# Altium PCB AX7021B.PcbDoc (part 2 of 6) (continued)
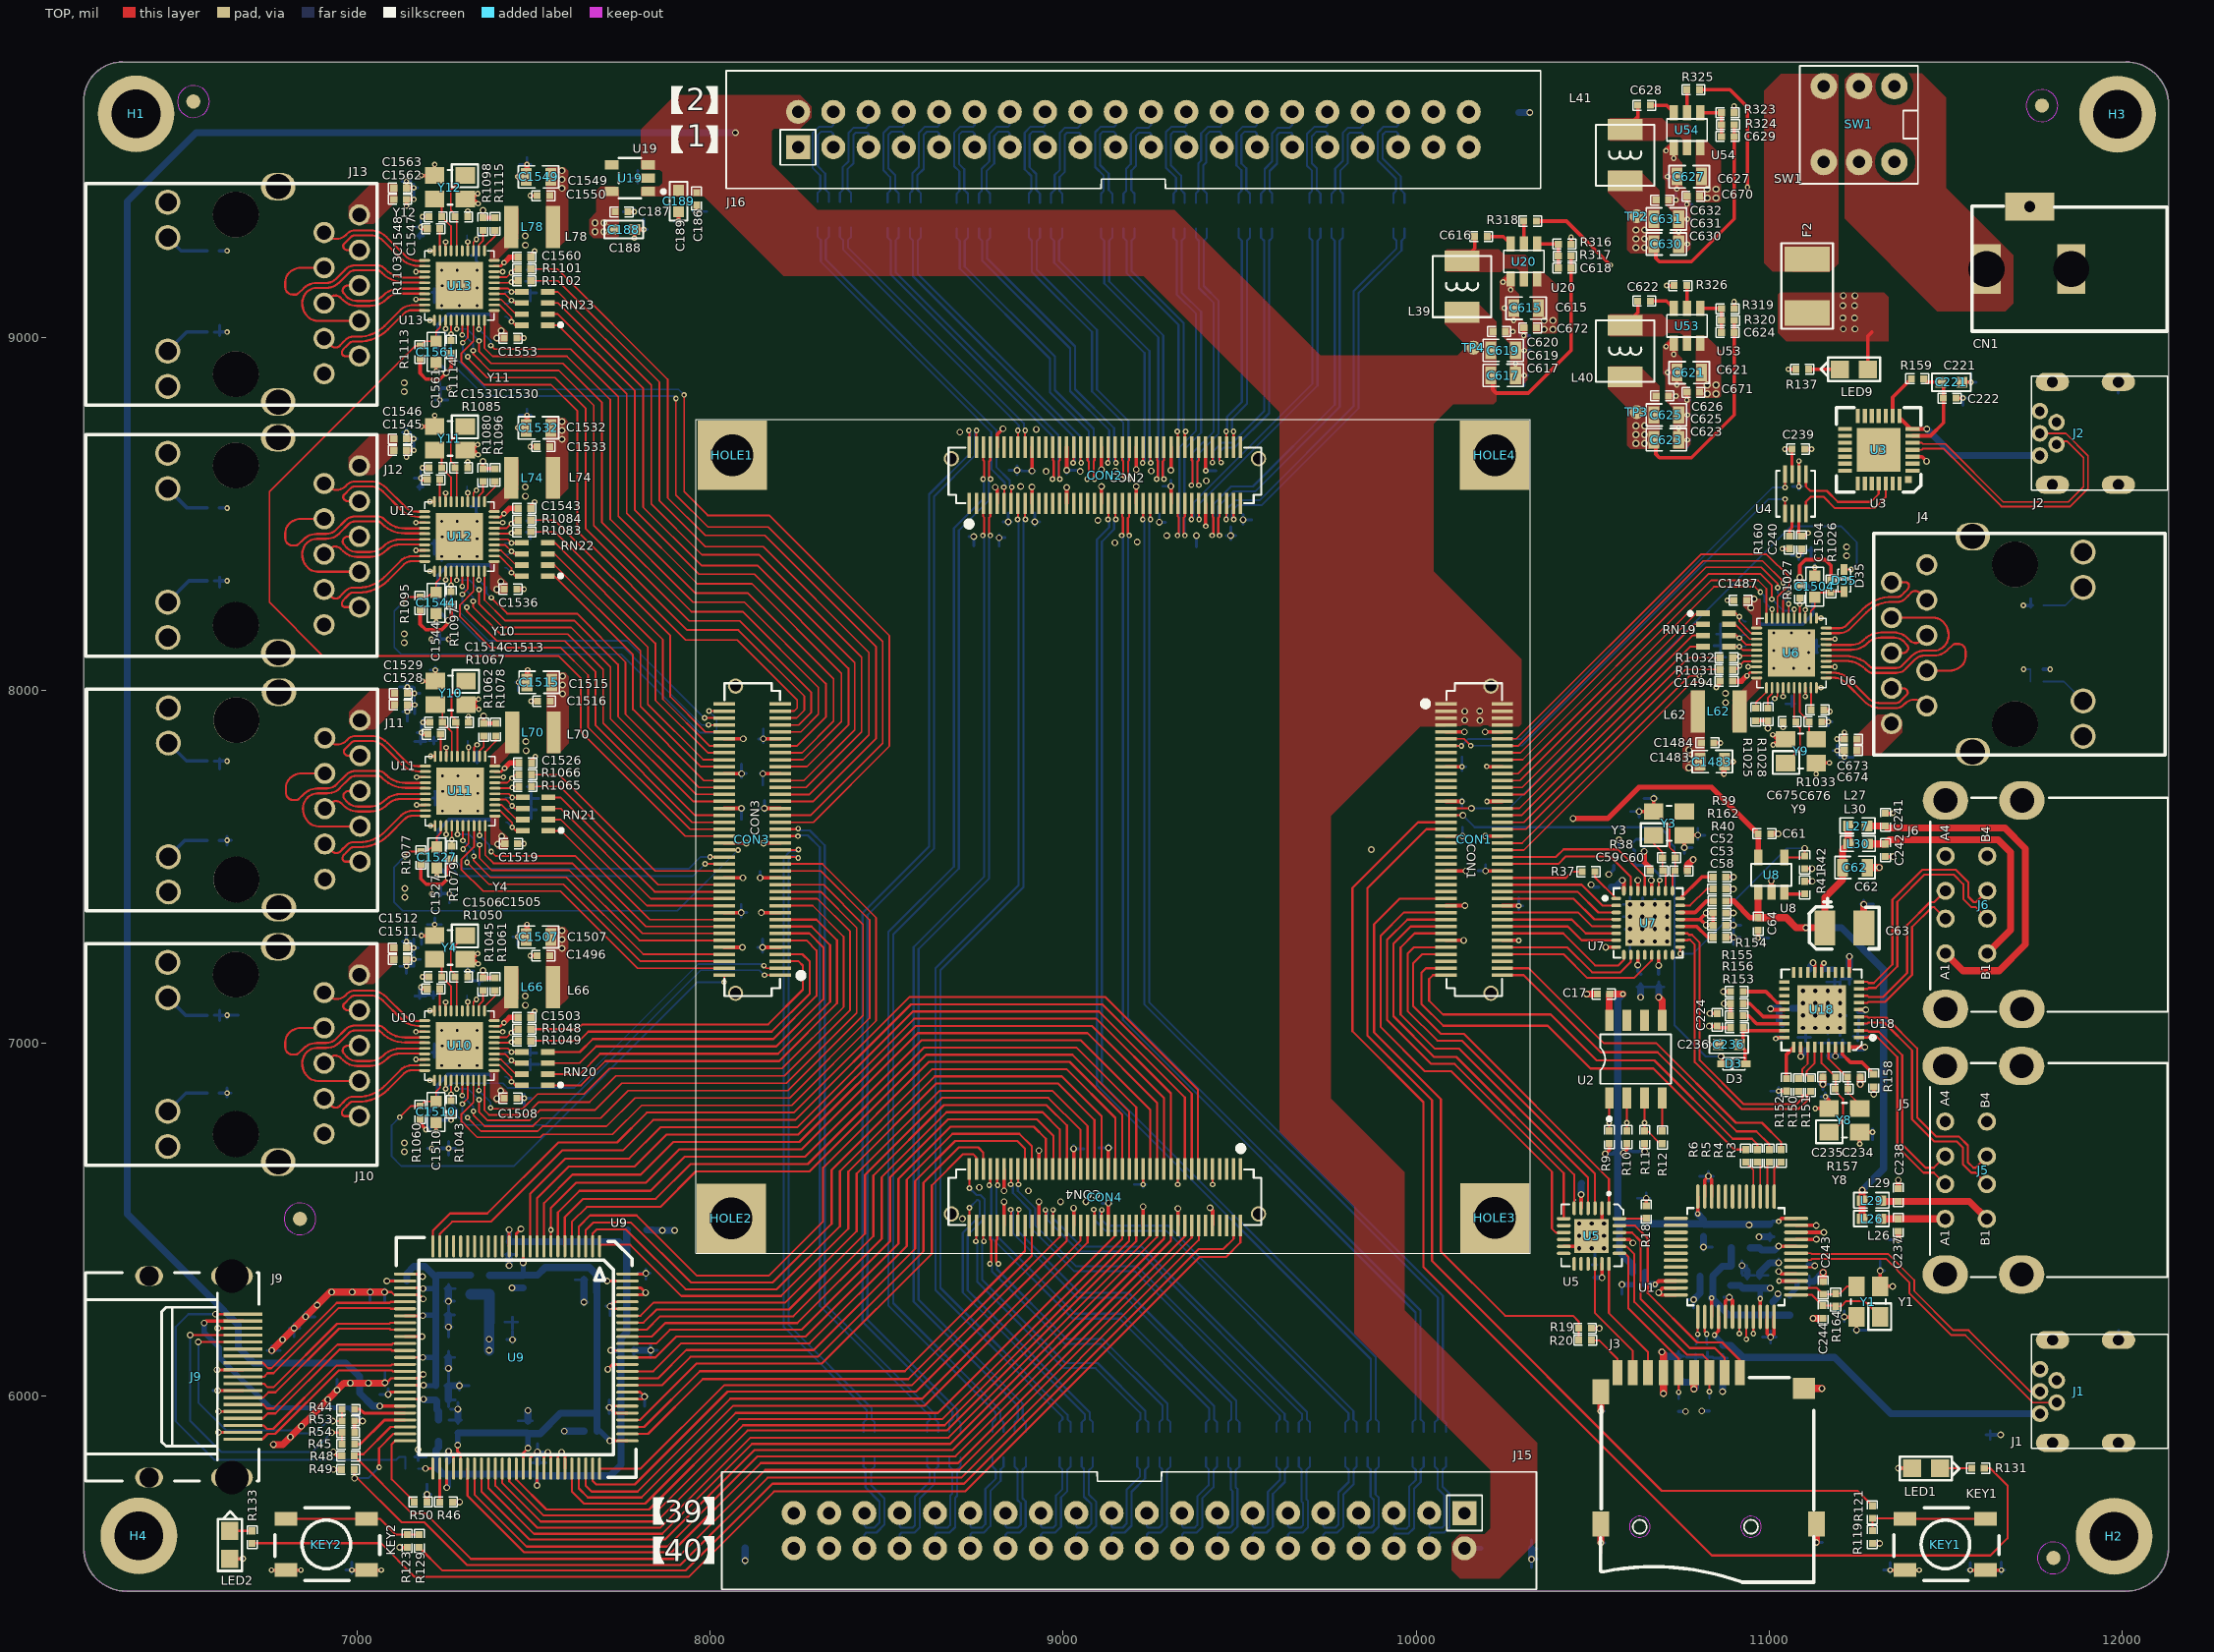
[diagram p0: TOP view]
## Nets (pads, with @x,y where several pads share a name; then routed paths per layer and width w, separated by ;. In a path a pad name is that pad's centre, name@x,y a point inside that pad or via, vN(x,y) a via of type N, cw(c..) or ccw(c..) an arc to the next point about the centre after c; other vN are vias at no path point) (continued)
  BOTTOM w6: RN17.8@8434.79,5827.27 8434.79,5801.55 8440.04,5796.3 8440.04,5742.22 8480.04,5702.22 8480.04,5642.65 8465.74,5628.35 8442.54,5628.35 8437.04,5633.85 J15.35@8437.04,5669.85
EX_IO1_17P: J15.36 RN17.7 | length 318
  BOTTOM w6: J15.36@8437.04,5569.85 8437.04,5608.85 8442.54,5614.35 8471.54,5614.35 8494.04,5636.85 8494.04,5710.85 8456.04,5748.85 8456.04,5791.3 8466.29,5801.55 RN17.7@8466.29,5827.27
EX_IO2_1N: J16.3 RN2.6 | length 291.6
  BOTTOM w6: RN2.6@8336.29,9383.42 8336.29,9409.14 8326.04,9419.39 8326.04,9463.85 8305.04,9484.85 8305.04,9573.05 8314.84,9582.85 8343.04,9582.85 8349.04,9576.85 J16.3@8349.04,9538.35
EX_IO2_1P: J16.4 RN2.5 | length 311.7
  BOTTOM w6: RN2.5@8304.79,9383.42 8304.79,9409.14 8312.04,9416.39 8312.04,9458.05 8291.04,9479.05 8291.04,9578.85 8309.04,9596.85 8345.04,9596.85 8349.04,9600.85 J16.4@8349.04,9638.35
EX_IO2_2N: J16.5 RN2.8 | length 286.5
  BOTTOM w6: RN2.8@8399.28,9383.42 8399.28,9409.14 8389.04,9419.38 8389.04,9475.86 8406.04,9492.86 8406.04,9573.05 8412.84,9579.85 8446.04,9579.85 8449.04,9576.85 J16.5@8449.04,9538.35
EX_IO2_2P: J16.6 RN2.7 | length 309.1
  BOTTOM w6: RN2.7@8367.78,9383.42 8367.78,9409.14 8375.04,9416.4 8375.04,9481.66 8392.04,9498.66 8392.04,9578.85 8407.04,9593.85 8442.04,9593.85 8449.04,9600.85 J16.6@8449.04,9638.35
EX_IO2_3N: J16.7 RN4.6 | length 291.8
  BOTTOM w6: RN4.6@8534.29,9382.43 8534.29,9408.15 8524.04,9418.4 8524.04,9459.85 8505.04,9478.85 8505.04,9573.05 8514.84,9582.85 8543.04,9582.85 8549.04,9576.85 J16.7@8549.04,9538.35
EX_IO2_3P: J16.8 RN4.5 | length 311.9
  BOTTOM w6: RN4.5@8502.79,9382.43 8502.79,9408.15 8510.04,9415.4 8510.04,9454.05 8491.04,9473.05 8491.04,9578.85 8509.04,9596.85 8545.04,9596.85 8549.04,9600.85 J16.8@8549.04,9638.35
EX_IO2_4N: J16.9 RN4.8 | length 291.4
  BOTTOM w6: RN4.8@8597.28,9382.43 8597.28,9408.15 8587.03,9418.4 8587.03,9458.84 8605.04,9476.85 8605.04,9573.05 8614.84,9582.85 8643.04,9582.85 8649.04,9576.85 J16.9@8649.04,9538.35
EX_IO2_4P: J16.10 RN4.7 | length 311.5
  BOTTOM w6: RN4.7@8565.78,9382.43 8565.78,9408.15 8573.03,9415.4 8573.03,9464.64 8591.04,9482.65 8591.04,9578.85 8609.04,9596.85 8645.04,9596.85 8649.04,9600.85 J16.10@8649.04,9638.35
EX_IO2_5N: J16.11 RN6.6 | length 291.1
  BOTTOM w6: RN6.6@8730.29,9381.43 8730.29,9407.15 8720.04,9417.4 8720.04,9475.85 8705.04,9490.85 8705.04,9573.05 8714.84,9582.85 8743.04,9582.85 8749.04,9576.85 J16.11@8749.04,9538.35
EX_IO2_5P: J16.12 RN6.5 | length 311.2
  BOTTOM w6: RN6.5@8698.79,9381.43 8698.79,9407.15 8706.04,9414.4 8706.04,9470.05 8691.04,9485.05 8691.04,9578.85 8709.04,9596.85 8745.04,9596.85 8749.04,9600.85 J16.12@8749.04,9638.35
EX_IO2_6N: J16.13 RN6.8 | length 292.3
  BOTTOM w6: RN6.8@8793.28,9381.43 8793.28,9407.15 8783.03,9417.4 8783.03,9470.85 8805.04,9492.86 8805.04,9570.05 8817.84,9582.85 8843.04,9582.85 8849.04,9576.85 J16.13@8849.04,9538.35
EX_IO2_6P: J16.14 RN6.7 | length 312.4
  BOTTOM w6: RN6.7@8761.78,9381.43 8761.78,9407.15 8769.03,9414.4 8769.03,9476.65 8791.04,9498.66 8791.04,9575.85 8812.04,9596.85 8845.04,9596.85 8849.04,9600.85 J16.14@8849.04,9638.35
EX_IO2_7N: J16.15 RN8.6 | length 293.4
  BOTTOM w6: RN8.6@8934.29,9381.43 8934.29,9407.15 8924.04,9417.4 8924.04,9462.85 8905.04,9481.85 8905.04,9574.05 8913.84,9582.85 8943.04,9582.85 8949.04,9576.85 J16.15@8949.04,9538.35
EX_IO2_7P: J16.16 RN8.5 | length 313.5
  BOTTOM w6: RN8.5@8902.79,9381.43 8902.79,9407.15 8910.04,9414.4 8910.04,9457.05 8891.04,9476.05 8891.04,9579.85 8908.04,9596.85 8945.04,9596.85 8949.04,9600.85 J16.16@8949.04,9638.35
EX_IO2_8N: J16.17 RN8.8 | length 288
  BOTTOM w6: RN8.8@8997.28,9381.43 8997.28,9407.15 8990.03,9414.4 8990.03,9454.04 9005.04,9469.05 9005.04,9574.05 9010.84,9579.85 9046.04,9579.85 9049.04,9576.85 J16.17@9049.04,9538.35
EX_IO2_8P: J16.18 RN8.7 | length 313.1
  BOTTOM w6: RN8.7@8965.78,9381.43 8965.78,9407.15 8976.03,9417.4 8976.03,9459.84 8991.04,9474.85 8991.04,9579.85 9005.04,9593.85 9042.04,9593.85 9049.04,9600.85 J16.18@9049.04,9638.35
EX_IO2_9N: J16.19 RN10.6 | length 296
  BOTTOM w6: RN10.6@9139.29,9381.43 9139.29,9407.15 9129.04,9417.4 9129.04,9463.85 9105.04,9487.85 9105.04,9575.05 9112.84,9582.85 9143.04,9582.85 9149.04,9576.85 J16.19@9149.04,9538.35
EX_IO2_9P: J16.20 RN10.5 | length 316.1
  BOTTOM w6: RN10.5@9107.79,9381.43 9107.79,9407.15 9115.04,9414.4 9115.04,9458.05 9091.04,9482.05 9091.04,9580.85 9107.04,9596.85 9145.04,9596.85 9149.04,9600.85 J16.20@9149.04,9638.35
EX_IO2_10N: J16.21 RN10.8 | length 284.6
  BOTTOM w6: RN10.8@9202.28,9381.43 9202.28,9407.15 9193.04,9416.39 9193.04,9472.06 9206.04,9485.06 9206.04,9570.05 9215.84,9579.85 9246.04,9579.85 9249.04,9576.85 J16.21@9249.04,9538.35
EX_IO2_10P: J16.22 RN10.7 | length 308.1
  BOTTOM w6: RN10.7@9170.78,9381.43 9170.78,9407.15 9179.04,9415.41 9179.04,9477.86 9192.04,9490.86 9192.04,9575.85 9210.04,9593.85 9242.04,9593.85 9249.04,9600.85 J16.22@9249.04,9638.35
EX_IO2_11N: J16.23 RN12.6 | length 298.1
  BOTTOM w6: RN12.6@9344.29,9381.42 9344.29,9407.14 9334.04,9417.39 9334.04,9457.85 9305.04,9486.85 9305.04,9575.05 9312.84,9582.85 9343.04,9582.85 9349.04,9576.85 J16.23@9349.04,9538.35
EX_IO2_11P: J16.24 RN12.5 | length 318.2
  BOTTOM w6: RN12.5@9312.79,9381.42 9312.79,9407.14 9320.04,9414.39 9320.04,9452.05 9291.04,9481.05 9291.04,9580.85 9307.04,9596.85 9345.04,9596.85 9349.04,9600.85 J16.24@9349.04,9638.35
EX_IO2_12N: J16.25 RN12.8 | length 287.7
  BOTTOM w6: RN12.8@9407.28,9381.42 9407.28,9407.14 9397.03,9417.39 9397.03,9486.85 9405.04,9494.86 9405.04,9572.05 9415.84,9582.85 9443.04,9582.85 9449.04,9576.85 J16.25@9449.04,9538.35
EX_IO2_12P: J16.26 RN12.7 | length 307.8
  BOTTOM w6: RN12.7@9375.78,9381.42 9375.78,9407.14 9383.03,9414.39 9383.03,9492.65 9391.04,9500.66 9391.04,9577.85 9410.04,9596.85 9445.04,9596.85 9449.04,9600.85 J16.26@9449.04,9638.35
EX_IO2_13N: J16.27 RN14.6 | length 290.7
  BOTTOM w6: RN14.6@9529.29,9381.42 9529.29,9407.14 9519.04,9417.39 9519.04,9478.85 9505.04,9492.85 9505.04,9573.05 9514.84,9582.85 9543.04,9582.85 9549.04,9576.85 J16.27@9549.04,9538.35
EX_IO2_13P: J16.28 RN14.5 | length 310.8
  BOTTOM w6: RN14.5@9497.79,9381.42 9497.79,9407.14 9505.04,9414.39 9505.04,9473.05 9491.04,9487.05 9491.04,9578.85 9509.04,9596.85 9545.04,9596.85 9549.04,9600.85 J16.28@9549.04,9638.35
EX_IO2_14N: J16.29 RN14.8 | length 288.3
  BOTTOM w6: RN14.8@9592.28,9381.42 9592.28,9407.14 9585.03,9414.39 9585.03,9471.05 9606.04,9492.06 9606.04,9572.05 9613.84,9579.85 9646.04,9579.85 9649.04,9576.85 J16.29@9649.04,9538.35
EX_IO2_14P: J16.30 RN14.7 | length 313.4
  BOTTOM w6: RN14.7@9560.78,9381.42 9560.78,9407.14 9571.03,9417.39 9571.03,9476.85 9592.04,9497.86 9592.04,9577.85 9608.04,9593.85 9642.04,9593.85 9649.04,9600.85 J16.30@9649.04,9638.35
EX_IO2_15N: J16.31 RN16.6 | length 289
  BOTTOM w6: RN16.6@9729.29,9381.42 9729.29,9407.14 9719.04,9417.39 9719.04,9477.85 9705.04,9491.85 9705.04,9570.05 9717.84,9582.85 9743.04,9582.85 9749.04,9576.85 J16.31@9749.04,9538.35
EX_IO2_15P: J16.32 RN16.5 | length 309.1
  BOTTOM w6: RN16.5@9697.79,9381.42 9697.79,9407.14 9705.04,9414.39 9705.04,9472.05 9691.04,9486.05 9691.04,9575.85 9712.04,9596.85 9745.04,9596.85 9749.04,9600.85 J16.32@9749.04,9638.35
EX_IO2_16N: J16.33 RN16.8 | length 288.9
  BOTTOM w6: RN16.8@9792.28,9381.42 9792.28,9407.14 9785.03,9414.39 9785.03,9472.04 9806.04,9493.05 9806.04,9573.05 9812.84,9579.85 9846.04,9579.85 9849.04,9576.85 J16.33@9849.04,9538.35
EX_IO2_16P: J16.34 RN16.7 | length 314
  BOTTOM w6: RN16.7@9760.78,9381.42 9760.78,9407.14 9771.03,9417.39 9771.03,9477.84 9792.04,9498.85 9792.04,9578.85 9807.04,9593.85 9842.04,9593.85 9849.04,9600.85 J16.34@9849.04,9638.35
EX_IO2_17N: J16.35 RN18.8 | length 307
  BOTTOM w6: J16.35@9949.04,9538.35 9949.04,9576.85 9943.04,9582.85 9913.84,9582.85 9905.04,9574.05 9905.04,9506.85 9957.03,9454.86 9957.03,9417.39 9967.28,9407.14 RN18.8@9967.28,9381.42
EX_IO2_17P: J16.36 RN18.7 | length 327.2
  BOTTOM w6: RN18.7@9935.78,9381.42 9935.78,9407.14 9943.03,9414.39 9943.03,9449.06 9891.04,9501.05 9891.04,9579.85 9908.04,9596.85 9945.04,9596.85 9949.04,9600.85 J16.36@9949.04,9638.35
FPGA_TCK: CON1.78 R3.1 | length 1015.2
  TOP w6: CON1.78@10244.12,7213.05 10318.84,7213.05 10531.04,7000.85 10680,7000.85 10905.9,6774.95 10979.6,6774.95 11034.35,6720.2 R3.1@11034.35,6699.33
FPGA_TDI: CON1.80 R4.1 | length 969.8
  TOP w6: CON1.80@10244.12,7193.36 10304.66,7193.36 10523.17,6974.85 10684,6974.85 10907.93,6750.92 10964.03,6750.92 11000.39,6714.56 R4.1@11000.39,6699.33
FPGA_TDO: CON1.79 R5.1 | length 1227.1
  TOP w6: CON1.79@10084.68,7193.36 10047.84,7193.36 10036.84,7182.36 10036.84,7121.05 10076.04,7081.85 10381.04,7081.85 10511.04,6951.85 10675,6951.85 10896.83,6730.02 10951.35,6730.02 10966.46,6714.91 R5.1@10966.46,6699.33
FPGA_TMS: CON1.77 R6.1 | length 1252.3
  TOP w6: CON1.77@10084.68,7213.05 10027.84,7213.05 10015.27,7200.48 10015.27,7111.62 10077.04,7049.85 10373.04,7049.85 10494.04,6928.85 10672,6928.85 10901.52,6699.33 R6.1@10933.31,6699.33
GND: C1.2 C2.2 C3.1 C4.1 C5.2 C8.2 C9.2 C10.2 C11.2 C12.2 C13.2 C14.2 C15.2 C16.2 C17.2 C22.2 C23.2 C24.2 C25.2 C52.2 C53.2 C54.2 C55.2 C56.2 C57.2 C58.1 C59.1 C60.1 C61.2 C62.2 C63.2 C64.2 C65.2 C66.2 C67.2 C68.2 C69.2 C70.2 C71.2 C72.2 C73.2 C74.2 C75.2 C76.1 C77.2 C78.2 C79.2 C80.2 C81.2 C186.2 C187.2 C188.2 C189.2 C190.2 C191.2 C192.2 C193.2 C221.2 C222.2 C223.2 C224.2 C225.2 C226.2 C227.2 C228.2 C229.2 C230.2 C231.2 C232.2 C233.2 C234.1 C235.1 C236.2 C237.2 C238.2 C239.2 C240.2 C241.2 C242.2 C243.1 C244.1 C615.2 C617.2 C619.2 C620.2 C621.2 C623.2 C625.2 C626.2 C627.2 C630.2 C631.2 C632.2 C670.2 C671.2 C672.2 C673.2 C674.2 C675.2 C676.2 C1483.2 C1484.2 C1485.2 C1486.2 C1487.2 C1488.2 C1489.2 C1490.2 C1491.2 C1492.2 C1493.2 C1494.2 C1495.2 C1496.2 C1497.2 C1498.2 C1499.2 C1500.2 C1501.2 C1502.2 C1503.2 C1504.2 C1505.2 C1506.2 C1507.2 C1508.2 C1509.2 C1510.2 C1511.2 C1512.2 C1513.2 C1514.2 C1515.2 C1516.2 C1517.2 C1518.2 C1519.2 C1520.2 C1521.2 C1522.2 C1523.2 C1524.2 C1525.2 C1526.2 C1527.2 C1528.2 C1529.2 C1530.2 C1531.2 C1532.2 C1533.2 C1534.2 C1535.2 C1536.2 C1537.2 C1538.2 C1539.2 C1540.2 C1541.2 C1542.2 C1543.2 C1544.2 C1545.2 C1546.2 C1547.2 C1548.2 C1549.2 C1550.2 C1551.2 C1552.2 C1553.2 C1554.2 C1555.2 C1556.2 C1557.2 C1558.2 C1559.2 C1560.2 C1561.2 C1562.2 C1563.2 CN1.1 CN1.2 CON1.9 CON1.10 CON1.19 CON1.20 CON1.29 CON1.30 CON1.39 CON1.40 CON1.49 CON1.50 CON1.59 CON1.60 CON1.69 CON1.70 CON2.9 CON2.10 CON2.19 CON2.20 CON2.29 CON2.30 CON2.39 CON2.40 CON2.49 CON2.50 CON2.59 CON2.60 CON2.69 CON2.70 CON3.9 CON3.10 CON3.19 CON3.20 CON3.29 CON3.30 CON3.39 CON3.40 CON3.49 CON3.50 CON3.59 CON3.60 CON3.69 CON3.70 CON4.9 CON4.10 CON4.19 CON4.20 CON4.29 CON4.30 CON4.39 CON4.40 CON4.49 CON4.50 CON4.59 CON4.60 CON4.69 CON4.70 H1.1 H2.1 H3.1 H4.1 HOLE1.1 HOLE2.1 HOLE3.1 HOLE4.1 J1.5 J1.6 J1.7 J1.8 J1.9 J2.5 J2.6 J2.7 J2.8 J2.9 J3.6 J3.10 J3.11 J3.12 J3.13 J4.15 J4.16 J4.P10 J5.A4 J5.B4 J5.S1 J5.S2 J5.S3 J5.S4 J6.A4 J6.B4 J6.S1 J6.S2 J6.S3 J6.S4 J9.2 J9.5 J9.8 J9.11 J9.17 J9.20 J9.21 J9.22 J9.23 J10.15 J10.16 J10.P10 J11.15 J11.16 J11.P10 J12.15 J12.16 J12.P10 J13.15 J13.16 J13.P10 J15.1 J15.37 J15.38 J16.1 J16.37 J16.38 KEY1.1 KEY1.2 KEY2.1 KEY2.2 R8.1 R18.1 R39.1 R42.1 R46.2 R50.2 R52.2 R137.1 R152.1 R154.1 R155.1 R156.1 R158.1 R162.2 R316.2 R319.2 R323.2 R1030.2 R1033.1 R1034.2 R1036.1 R1037.1 R1041.1 R1042.1 R1046.2 R1047.2 R1050.1 R1051.2 R1052.2 R1053.1 R1054.1 R1058.1 R1059.1 R1063.2 R1064.2 R1067.1 R1068.2 R1069.2 R1070.1 R1071.1 R1075.1 R1076.1 R1081.2 R1082.2 R1085.1 R1086.2 R1087.2 R1088.1 R1089.1 R1093.1 R1094.1 R1099.2 R1100.2 R1103.1 R1104.2 R1105.2 R1106.1 R1107.1 R1111.1 R1112.1 U1.4 U1.9 U1.10 U1.11 U1.22 U1.23 U1.35 U1.36 U1.41 U1.42 U1.47 U1.48 U2.5 U3.3 U4.2 U5.2 U5.11 U5.25 U6.41 U7.33 U8.2 U9.13 U9.26 U9.29 U9.35 U9.41 U9.43 U9.54 U9.65 U9.67 U9.68 U9.69 U9.70 U9.80 U9.81 U9.82 U9.83 U9.87 U9.95 U9.96 U9.97 U9.98 U9.100 U10.41 U11.41 U12.41 U13.41 U18.37 U19.2 U20.1 U53.1 U54.1 Y1.2 Y1.4 Y3.2 Y3.4 Y4.2 Y4.4 Y8.2 Y8.4 Y9.2 Y9.4 Y10.2 Y10.4 Y11.2 Y11.4 Y12.2 Y12.4 | length 30918.3
  TOP w5: C1519.2@7454.66,7565.71 v1(7473.05,7565.71)
  TOP w6: v2(7078.04,6295.62) 7097.04,6295.62 7105.04,6287.62 U9.29@7135.84,6287.62 ; v2(7079.04,6038.85) 7084.04,6038.85 7096.59,6051.4 U9.41@7135.84,6051.4 ; v1(9226.67,6600.43) CON4.29@9226.67,6643.94 ; v1(9325.09,6600.43) CON4.19@9325.09,6643.94 ; v1(9423.52,6600.43) CON4.9@9423.52,6643.94
  TOP w8: v2(6603.3,6075.4) J9.11@6677.23,6075.4 ; v2(6605.18,6016.34) J9.8@6677.23,6016.34 ; v2(6605.35,6193.51) J9.17@6677.23,6193.51 ; v2(6606.97,5957.29) J9.5@6677.23,5957.29 ; v2(6607.03,5898.23) J9.2@6677.23,5898.23 ; v2(7088.04,6005.85) 7094.22,6012.03 U9.43@7135.84,6012.03 ; U9.41@7135.84,6051.4 7176.24,6051.4 v2(7187.3,6062.46) ; U9.35@7135.84,6169.51 v2(7183.85,6169.51) ; U9.29@7135.84,6287.62 7175.14,6287.62 7186.8,6275.96 v2(7187.3,6275.96) ; U9.26@7135.84,6346.68 7178.08,6346.68 v2(7185.3,6339.46) ; v2(7259.04,5844.85) 7273.64,5830.25 U9.54@7273.64,5795.5 ; U9.13@7450.8,6425.42 7450.8,6460.96 v2(7464.3,6474.46) ; U9.65@7490.17,5795.5 7490.17,5825.83 7507.3,5842.96 v2(7510.8,5842.96) ; U9.67@7529.54,5795.5 7529.54,5830.7 v2(7540.3,5841.46) 7549.23,5832.53 U9.68@7549.23,5795.5 ; U9.69@7568.91,5795.5 7568.91,5831.57 v2(7579.3,5841.96) 7588.6,5832.66 U9.70@7588.6,5795.5 ; v2(7710.04,6076.85) 7723.96,6090.77 U9.87@7765.76,6090.77 ; U9.80@7765.76,5952.98 7729.78,5952.98 v2(7714.3,5968.46) 7718.5,5972.66 U9.81@7765.76,5972.66 ; U9.82@7765.76,5992.35 7807.19,5992.35 v2(7814.3,5999.46) 7801.73,6012.03 U9.83@7765.76,6012.03 ; U9.95@7765.76,6248.25 7723.51,6248.25 v2(7716.3,6255.46) 7716.3,6256.46 7727.78,6267.94 U9.96@7765.76,6267.94 ; U9.97@7765.76,6287.62 7809.96,6287.62 7816.3,6293.96 v2(7817.3,6293.96) 7803.95,6307.31 U9.98@7765.76,6307.31 ; U9.100@7765.76,6346.68 7815.87,6346.68 v2(7818.04,6348.85) ; v1(11083.62,8382.15) 11091.48,8390.01 C240.2@11091.48,8401.1 ; v1(11084.53,8577.51) v1(11084.53,8649.51)
  TOP w10: v1(6757.48,5508.05) v1(6840.89,5508.05) ; v1(6984.85,5508.05) v1(7068.35,5508.05) ; v1(7140.07,7218.48) C1511.2@7140.07,7237.77 v1(7161.04,7237.77) ; v1(7140.07,7288.66) C1512.2@7140.07,7270.28 v1(7160.52,7270.28) ; v1(7140.06,8660.49) C1545.2@7140.06,8679.78 v1(7161.03,8679.78) ; v1(7140.06,8730.67) C1546.2@7140.06,8712.29 v1(7160.51,8712.29) ; v1(7140.06,9371.49) C1562.2@7140.06,9390.78 v1(7161.03,9390.78) ; v1(7140.06,9441.67) C1563.2@7140.06,9423.29 v1(7160.51,9423.29) ; v1(7142.06,7939.49) C1528.2@7142.06,7958.78 v1(7163.03,7958.78) ; v1(7142.06,8009.67) C1529.2@7142.06,7991.29 v1(7162.51,7991.29) ; v1(7180.72,8601.38) 7185.46,8596.64 R1085.1@7198.45,8596.64 ; v1(7180.72,9312.38) 7185.46,9307.64 R1103.1@7198.45,9307.64 ; v1(7180.73,7159.37) 7185.47,7154.63 R1050.1@7198.46,7154.63 ; v1(7182.29,7305.22) Y4.2@7219.82,7305.22 v1(7219.82,7336.63) ; v1(7182.28,8747.23) Y11.2@7219.81,8747.23 v1(7219.81,8778.64) ; v1(7182.28,9458.23) Y12.2@7219.81,9458.23 v1(7219.81,9489.64) ; v1(7182.72,7880.38) 7187.46,7875.64 R1067.1@7200.45,7875.64 ; v1(7184.28,8026.23) Y10.2@7221.81,8026.23 v1(7221.81,8057.64) ; v1(7185.07,7188.45) C1506.2@7203.72,7188.45 ; v1(7185.06,8630.46) C1531.2@7203.71,8630.46 ; v1(7185.06,9341.46) C1548.2@7203.71,9341.46 ; v1(7187.06,7909.46) C1514.2@7205.71,7909.46 ; R50.2@7198.13,5701.24 v2(7198.13,5722.42) ; v1(7223.96,6751.1) C1510.2@7223.96,6775.87 ; v1(7223.95,8193.11) C1544.2@7223.95,8217.88 ; v1(7223.95,8904.11) C1561.2@7223.95,8928.88 ; v1(7225.95,7472.11) C1527.2@7225.95,7496.88 ; R46.2@7270.22,5700.87 v2(7290.68,5700.87) ; Y4.4@7306.44,7238.3 Y4.4@7325.74,7238.3 ; Y11.4@7306.43,8680.31 Y11.4@7325.73,8680.31 ; Y12.4@7306.43,9391.31 Y12.4@7325.73,9391.31 ; Y10.4@7308.43,7959.31 Y10.4@7327.73,7959.31 ; C1505.2@7313.41,7188.45 v1(7313.41,7204.8) ; C1530.2@7313.4,8630.46 v1(7313.4,8646.81) ; C1547.2@7313.4,9341.46 v1(7313.4,9357.81) ; C1513.2@7315.4,7909.46 v1(7315.4,7925.81) ; v1(7341.77,8696.35) Y11.4@7325.73,8680.31 ; v1(7341.77,9407.35) Y12.4@7325.73,9391.31 ; v1(7341.78,7254.34) Y4.4@7325.74,7238.3 ; v1(7343.02,8667.4) 7330.11,8680.31 Y11.4@7325.73,8680.31 ; v1(7343.02,9378.4) 7330.11,9391.31 Y12.4@7325.73,9391.31 ; v1(7343.03,7225.39) 7330.12,7238.3 Y4.4@7325.74,7238.3 ; v1(7343.77,7975.35) Y10.4@7327.73,7959.31 ; v1(7345.02,7946.4) 7332.11,7959.31 Y10.4@7327.73,7959.31 ; C1508.2@7452.67,6844.7 v1(7473.33,6844.7) ; C1536.2@7452.66,8286.71 v1(7473.17,8286.71) ; C1553.2@7452.66,8997.71 v1(7473.07,8997.71) ; v1(7490.77,7248.37) C1496.2@7509.58,7248.37 ; v1(7490.76,8690.38) C1533.2@7509.57,8690.38 ; v1(7490.76,9401.38) C1550.2@7509.57,9401.38 ; C1503.2@7492.42,7073.71 7492.42,7081.14 v1(7502.85,7091.57) ; C1543.2@7492.41,8515.72 7492.41,8523.15 v1(7502.84,8533.58) ; C1560.2@7492.41,9226.72 7492.41,9234.15 v1(7502.84,9244.58) ; v1(7492.76,7969.38) C1516.2@7511.57,7969.38 ; C1526.2@7494.41,7794.72 7494.41,7802.15 v1(7504.84,7812.58) ; C187.2@7767.35,9355.45 v1(7785.3,9355.45) ; v1(7785.66,9281.09) C188.2@7785.66,9305.45 v1(7811.9,9305.45) ; v1(7795.21,9450.92) U19.2@7823.9,9450.92 ; v1(7910.72,9329.37) C189.2@7910.72,9355.72 ; v1(7961.81,9356.29) C186.2@7961.81,9374.22 ; CON3.10@8039.68,7272.1 v2(8091.62,7272.1) ; CON3.20@8039.68,7370.53 v2(8088.19,7370.53) ; CON3.30@8039.68,7468.95 v2(8092.77,7468.95) ; CON3.40@8039.68,7567.38 v2(8102.59,7567.38) ; CON3.50@8039.68,7665.8 v2(8088.92,7665.8) ; CON3.60@8039.68,7764.23 v2(8089.19,7764.23) ; CON3.70@8039.68,7862.65 v2(8094.07,7862.65) ; v2(8141.77,7468.95) CON3.29@8199.12,7468.95 ; v2(8145.19,7370.53) CON3.19@8199.12,7370.53 ; v2(8148.62,7272.1) CON3.9@8199.12,7272.1 ; v2(8149.49,7764.23) CON3.59@8199.12,7764.23 ; v2(8150.61,7862.65) CON3.69@8199.12,7862.65 ; v2(8151.34,7567.38) CON3.39@8199.12,7567.38 ; v2(8153.76,7665.8) CON3.49@8199.12,7665.8 ; v2(8807.7,8575.32) 8813.28,8569.74 CON2.9@8813.28,8529.5 ; CON2.10@8813.28,8688.94 8813.28,8724.9 v2(8829.7,8741.32) ; CON4.70@8832.97,6484.5 v2(8832.97,6551.32) ; v2(8832.97,6582.32) CON4.69@8832.97,6643.94 ; CON2.19@8911.71,8529.5 v2(8911.71,8576.01) ; v2(8911.71,8621.32) CON2.20@8911.71,8688.94 ; CON4.60@8931.39,6484.5 v2(8931.39,6551.32) ; CON4.59@8931.39,6643.94 v2(8931.39,6696.43) ; CON2.29@9010.13,8529.5 v2(9010.13,8574.59) ; v2(9010.13,8623.32) CON2.30@9010.13,8688.94 ; CON4.50@9029.82,6484.5 v2(9029.82,6533.32) ; CON4.49@9029.82,6643.94 v2(9029.82,6701.64) ; CON2.39@9108.56,8529.5 v2(9108.56,8577.34) ; v2(9108.56,8625.32) CON2.40@9108.56,8688.94 ; CON4.40@9128.24,6484.5 v2(9128.24,6547.32) ; CON4.39@9128.24,6643.94 v2(9128.24,6704.22) ; CON2.49@9206.98,8529.5 v2(9206.98,8577.76) ; v2(9206.98,8625.32) CON2.50@9206.98,8688.94 ; CON4.30@9226.67,6484.5 v2(9226.67,6537.79) ; CON2.59@9305.41,8529.5 v2(9305.41,8578.19) ; v2(9305.41,8623.32) CON2.60@9305.41,8688.94 ; CON4.20@9325.09,6484.5 v2(9325.09,6532.13) ; v1(9403.83,8465.32) CON2.69@9403.83,8529.5 ; v1(9403.83,8622.32) CON2.70@9403.83,8688.94 ; v2(9416.21,6534.25) 9423.52,6526.94 CON4.10@9423.52,6484.5 ; CON1.69@10084.68,7291.79 v2(10135.01,7291.79) ; CON1.59@10084.68,7390.21 v2(10138.25,7390.21) ; CON1.49@10084.68,7488.64 v2(10140.84,7488.64) ; CON1.39@10084.68,7587.06 v2(10131.4,7587.06) ; CON1.29@10084.68,7685.49 10129.71,7685.49 v1(10129.84,7685.62) ; CON1.19@10084.68,7783.91 10129.55,7783.91 v1(10129.84,7783.62) ; CON1.9@10084.68,7882.34 v2(10137.12,7882.34) ; v2(10195.56,7882.34) CON1.10@10244.12,7882.34 ; v2(10196.28,7587.06) CON1.40@10244.12,7587.06 ; v2(10196.86,7488.64) CON1.50@10244.12,7488.64 ; v1(10199.84,7784.62) 10200.55,7783.91 CON1.20@10244.12,7783.91 ; v1(10200.61,7685.62) 10200.74,7685.49 CON1.30@10244.12,7685.49 ; CON1.70@10244.12,7291.79 v1(10290.67,7291.79) ; CON1.60@10244.12,7390.21 10290.25,7390.21 v1(10290.84,7389.62) ; v1(10245.82,9156.41) 10255.16,9165.75 U20.1@10267.67,9165.75 v1(10267.67,9134.77) ; v1(10250.57,9082.97) C615.2@10276.38,9082.97 v1(10276.38,9048.09) ; C620.2@10253.53,9016.44 v1(10274.1,9016.44) ; v1(10281.76,8925.79) C617.2@10281.76,8891.92 v1(10306.04,8891.92) ; C619.2@10281.76,8962.62 v1(10306.1,8962.62) ; v1(10305.1,9004.65) C672.2@10305.1,9027.03 ; U5.11@10418.13,6424.82 10457.07,6424.82 v2(10462.04,6419.85) ; R316.2@10438.75,9263.85 v1(10438.75,9283.44) ; U5.2@10526.4,6533.09 10526.4,6495.49 v2(10532.04,6489.85) ; v2(10631.75,7656.74) Y3.4@10673.05,7656.74 v2(10673.05,7693.76) ; R18.1@10651.85,6540.31 v2(10651.85,6561.51) ; v1(10707.86,8973.87) 10717.2,8983.21 U53.1@10729.71,8983.21 v1(10729.71,8952.23) ; v1(10707.86,9528.62) 10717.2,9537.96 U54.1@10729.71,9537.96 v1(10729.71,9506.98) ; v1(10712.61,8900.43) C621.2@10738.42,8900.43 v1(10738.42,8865.55) ; v1(10712.61,9455.18) C627.2@10738.42,9455.18 v1(10738.42,9420.3) ; C626.2@10715.57,8833.9 v1(10736.14,8833.9) ; C632.2@10715.57,9388.65 v1(10736.14,9388.65) ; U1.36@10735.69,6287.58 10693.31,6287.58 v2(10687.04,6293.85) 10689.04,6295.85 10689.04,6297.85 10698.46,6307.27 U1.35@10735.69,6307.27 ; v1(10743.8,8743.25) C623.2@10743.8,8709.38 v1(10768.08,8709.38) ; C625.2@10743.8,8780.08 v1(10768.14,8780.08) ; v1(10743.8,9298) C630.2@10743.8,9264.13 v1(10768.08,9264.13) ; C631.2@10743.8,9334.83 v1(10768.14,9334.83) ; v2(10759.67,7554.56) Y3.2@10759.67,7589.82 v2(10798.09,7589.82) ; v1(10767.14,8822.11) C671.2@10767.14,8844.49 ; v1(10767.14,9376.86) C670.2@10767.14,9399.24 ; U1.23@10817.46,6566.2 10817.46,6613.27 v2(10828.04,6623.85) 10837.14,6614.75 U1.22@10837.14,6566.2 ; v2(10828.59,6997.23) C236.2@10855.56,6997.23 ; v2(10832.49,7085.02) C224.2@10853.06,7085.02 ; C1484.2@10843.51,7851.32 v1(10862.32,7851.32) ; v1(10850.24,8008.12) 10860.67,8018.55 C1494.2@10860.67,8025.98 ; v2(10870.51,7146.81) R154.1@10890.56,7146.81 ; v2(10872.29,7112.7) R155.1@10890.56,7112.7 R156.1@10890.56,7078.22 ; U1.41@10876.51,6225.5 10876.51,6270.32 v2(10887.04,6280.85) 10896.2,6271.69 U1.42@10896.2,6225.5 ; C58.1@10877.28,7300.53 v2(10898.5,7300.53) ; C53.2@10877.28,7334.91 v2(10898.5,7334.91) ; C52.2@10877.28,7369.29 v2(10898.5,7369.29) ; R162.2@10877.28,7437.32 v2(10898.5,7437.32) ; R39.1@10877.28,7471.2 v2(10898.5,7471.2) ; v1(10881.27,8254.99) C1487.2@10900.42,8254.99 ; R319.2@10900.79,9081.31 v1(10900.79,9100.9) ; R323.2@10900.79,9636.06 v1(10900.79,9655.65) ; v1(10968.7,7298.07) C64.2@10968.7,7320 ; U1.47@10994.62,6225.5 10994.62,6177.27 v2(11004.04,6167.85) 11014.31,6178.12 U1.48@11014.31,6225.5 ; v1(11010.06,7874.3) 11022.97,7861.39 Y9.4@11027.35,7861.39 ; v1(11011.31,7845.35) Y9.4@11027.35,7861.39 ; v1(11026.5,6864.75) R152.1@11049.05,6864.75 ; v2(11027.04,6353.85) 11034.25,6346.64 U1.4@11076.39,6346.64 ; v1(11039.68,7894.89) C675.2@11039.68,7911.24 ; Y9.4@11046.65,7861.39 Y9.4@11027.35,7861.39 ; v1(11054.12,8909.38) R137.1@11075.99,8909.38 ; U1.9@11076.39,6445.06 v2(11133.83,6445.06) ; U1.10@11076.39,6464.75 v2(11154.94,6464.75) ; U1.11@11076.39,6484.43 v2(11133.46,6484.43) ; C239.2@11100.62,8683.37 v1(11120.15,8683.37) ; R42.1@11100.69,7495 v2(11121.4,7495) ; C1504.2@11129.13,8323.82 v1(11129.13,8348.59) ; v1(11130.77,6815.65) Y8.4@11169.67,6815.65 11169.67,6839.37 v1(11159.67,6849.37) ; v1(11133.27,7763.06) Y9.2@11133.27,7794.47 v1(11170.8,7794.47) ; C676.2@11149.37,7911.24 v1(11168.02,7911.24) ; R1033.1@11154.63,7945.06 11167.62,7945.06 v1(11172.36,7940.32) ; v1(11192.05,7861.92) C673.2@11213.02,7861.92 v1(11213.02,7881.21) ; v1(11192.57,7829.41) C674.2@11213.02,7829.41 v1(11213.02,7811.03) ; v2(11212.93,6225.14) Y1.4@11247.48,6225.14 v2(11247.48,6188.16) ; v1(11256.29,6715.57) Y8.2@11256.29,6748.73 v1(11293.15,6748.73) ; v2(11296.49,6856.23) R158.1@11296.49,6877.07 ; v2(11314.4,6355.71) Y1.2@11314.4,6311.76 v2(11349.84,6311.76) ; C242.2@11329.3,7529.12 v2(11351.51,7529.12) ; C241.2@11329.3,7651.72 v1(11350.81,7651.72) ; v1(11342.64,5508.05) v1(11425.35,5508.05) ; U3.3@11406.1,8661.75 11433.14,8661.75 v2(11446.04,8648.85) ; C222.2@11529.62,8827.76 v1(11548.66,8827.76) ; C221.2@11546.04,8872.85 v1(11572.01,8872.85) ; v1(11569.92,5508.05) v1(11657.84,5508.05)
  TOP w15: v1(7455.32,7301.8) 7481.1,7301.8 v1(7481.1,7336.91) ; v1(7455.31,8743.81) 7481.09,8743.81 v1(7481.09,8778.92) ; v1(7455.31,9454.81) 7481.09,9454.81 v1(7481.09,9489.92) ; v1(7457.31,8022.81) 7483.09,8022.81 v1(7483.09,8057.92) ; v2(10646.04,7543.85) 10646.04,7513.85 10663.04,7496.85 C59.1@10663.04,7488.85 ; v1(10871.99,7762.78) 10871.99,7797.89 v1(10897.77,7797.89) ; C61.2@11004.79,7593.76 v2(11025.5,7593.76) ; U8.2@11006.18,7428.26 v2(11006.18,7460.86) ; v2(11366.1,6443.91) C237.2@11366.1,6467.2 ; C238.2@11366.1,6588.77 v2(11366.1,6612.95)
  TOP w20: v2(6758.04,6129.85) v2(6789.03,6160.84) v2(6821.53,6193.34) v2(6854.03,6225.84) v2(6887.04,6258.85) 6923.81,6295.62 v2(6928.04,6295.62) v2(6986.04,6295.62) v2(7037.04,6295.62) v2(7078.04,6295.62) ; v2(6763.04,5863.85) 6790.04,5863.85 v2(6811.03,5884.84) v2(6842.04,5915.85) v2(6872.04,5945.85) v2(6917.04,5990.85) 6936.03,6009.84 6936.03,6010.84 v2(6943.04,6017.85) 6963.04,6037.85 v2(6981.04,6037.85) v2(7032.04,6037.85) 7077.04,6037.85 7078.04,6038.85 v2(7079.04,6038.85) ; v2(10483.04,7139.85) C17.2@10513.04,7139.85 ; v2(10523.34,5585.15) J3.12@10523.34,5638.72 ; v2(10523.34,5958.15) J3.11@10523.34,6012.73 ; v2(10687.04,7130.85) 10697.04,7120.85 U2.5@10697.04,7065.85 ; v2(10695.98,6125.68) 10700.5,6121.16 v2(10700.5,6008.39) ; C60.1@10769.04,7488.85 10769.04,7504.85 v2(10785.04,7520.85) ; J3.10@11098.14,6022.57 v2(11149.32,6022.57) ; v2(11124.27,6221.08) C244.1@11152.33,6221.08 ; v2(11133.58,5586.31) J3.13@11133.58,5638.72 ; v2(11152.04,6884.22) C235.1@11152.04,6904.85 ; C243.1@11152.75,6325.62 v2(11152.75,6351.14) ; v2(11258.04,6884.15) C234.1@11258.04,6904.85 ; C63.2@11268.16,7326.85 v2(11268.16,7393.97) ; C62.2@11276.11,7498.04 v2(11312.33,7498.04)
  SGND w15: J9.22@6411.08,5770.28 6457.97,5770.28 ; J9.23@6411.08,6341.15 6457.97,6341.15 ; J9.20@6645.73,5770.28 6712.31,5770.28 ; J9.21@6645.73,6341.15 6712.31,6341.15 ; J10.16@6776.62,6663.73 6833.14,6663.73 ; J10.15@6776.62,7273.96 6833.14,7273.96 ; J12.16@6776.61,8105.74 6833.13,8105.74 ; J12.15@6776.61,8715.97 6833.13,8715.97 ; J13.16@6776.61,8816.74 6833.13,8816.74 ; J13.15@6776.61,9426.97 6833.13,9426.97 ; J11.16@6778.61,7384.74 6835.13,7384.74 ; J11.15@6778.61,7994.97 6835.13,7994.97 ; J10.P10@6906.54,6743.85 6944.06,6743.85 ; J12.P10@6906.53,8185.86 6944.05,8185.86 ; J13.P10@6906.53,8896.86 6944.05,8896.86 ; J11.P10@6908.53,7464.86 6946.05,7464.86 ; J16.1@8249.04,9538.35 8290.56,9538.35 ; J15.38@8337.04,5569.85 8378.56,5569.85 ; J15.37@8337.04,5669.85 8378.56,5669.85 ; J16.37@10049.04,9538.35 10090.56,9538.35 ; J16.38@10049.04,9638.35 10090.56,9638.35 ; J15.1@10137.04,5669.85 10178.56,5669.85 ; J4.P10@11446.55,8355.84 11484.07,8355.84 ; J5.S1@11498.69,6345.57 11570.42,6345.57 ; J5.A4@11498.69,6778.65 11531.96,6778.65 ; J5.S3@11498.69,6936.13 11570.42,6936.13 ; J6.S1@11499.69,7097.57 11571.42,7097.57 ; J6.A4@11499.69,7530.65 11532.96,7530.65 ; J6.S3@11499.69,7688.13 11571.42,7688.13 ; J4.15@11576.47,7825.73 11632.99,7825.73 ; J4.16@11576.47,8435.96 11632.99,8435.96 ; J5.B4@11616.8,6778.65 11650.07,6778.65 ; J6.B4@11617.8,7530.65 11651.07,7530.65 ; J5.S2@11715.23,6345.57 11786.96,6345.57 ; J5.S4@11715.23,6936.13 11786.96,6936.13 ; J6.S2@11716.23,7097.57 11787.96,7097.57 ; J6.S4@11716.23,7688.13 11787.96,7688.13 ; CN1.2@11738.04,9370.44 11815.56,9370.44 ; CN1.1@11856.04,9193.27 11903.56,9193.27